# Altium PCB Power_Board.PcbDoc (part 2 of 2) (continued)
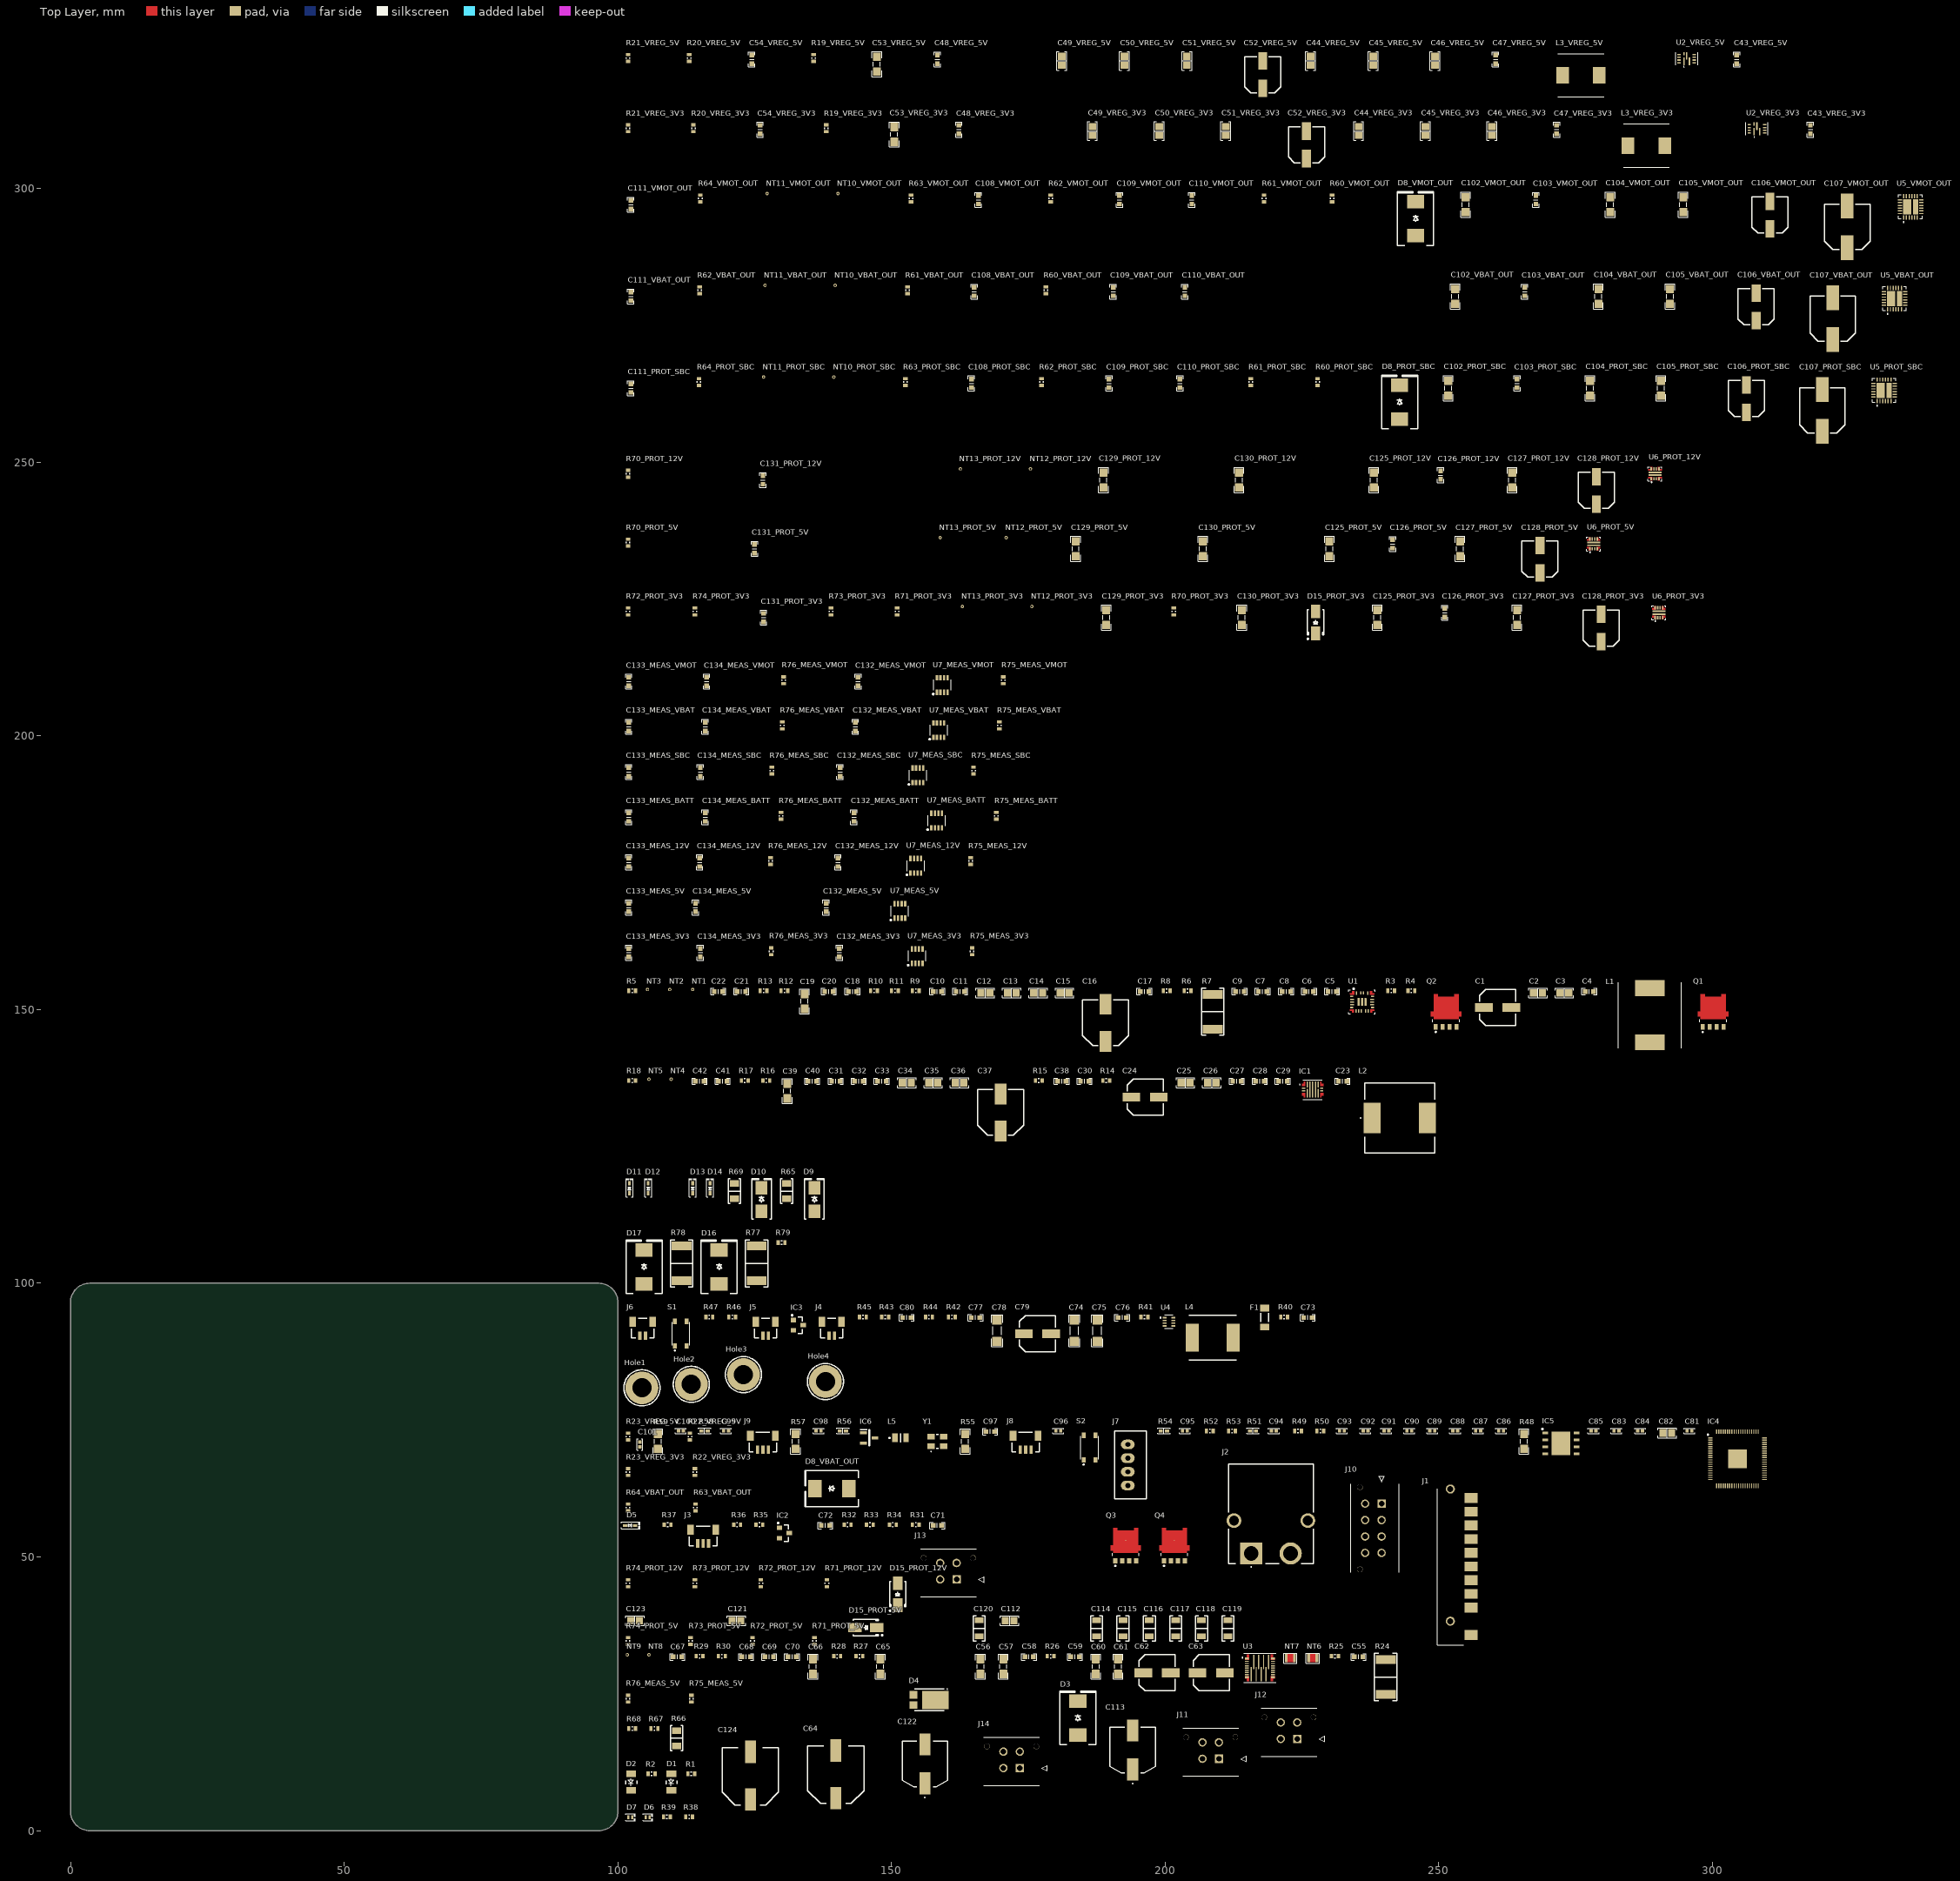
[diagram p0: Top Layer view]
## Part data (continued)
D16 D17: "TVS DIODE 13VWM 21.5VC DO214AB", Current - Peak Pulse (10/1000µs)=69.8A, Manufacturer="Littelfuse Inc.", Operating Temperature="-55°C ~ 150°C (TJ)", Package / Case="DO-214AB, SMC", Power - Peak Pulse="1500W (1.5kW)", Power Line Protection=No, Supplier Device Package="DO-214AB (SMCJ)", Supplier Part Number 1=SMCJ13ALFCT-ND, Voltage - Breakdown (Min)=14.4V, Voltage - Clamping (Max) @ Ipp=21.5V, Voltage - Reverse Standoff (Typ)=13V, Applications="General Purpose", ComponentLink1Description=Datasheet, ComponentLink1URL=https://www.littelfuse.com/products/tvs-diodes/surface-mount/~/media/electronics/datasheets/tvs_diodes/littelfuse_tvs_diode_smcj_datasheet.pdf.pdf, ComponentLink2Description="DigiKey Link", ComponentLink2URL=https://www.digikey.com/en/products/detail/littelfuse-inc/SMCJ13A/762378, LastUpdated="6/3/2024 7:57:05 PM", Lifecycle Status=Active, Minimum Order=1, Mounting Type="Surface Mount", Packaging=TapeAndReel, Part Number=SMCJ13A, Part Status=Active, PartId=6718, Price=0.16, Series=SMCJ, Supplier 1=DigiKey, Type=Zener, Unidirectional Channels=1
F1: "FUSE BOARD MNT 500MA 63VDC 1206", Breaking Capacity @ Rated Voltage=50A, Current Rating (Amps)=500mA, Device Package="1206 (3216 Metric)", Manufacturer="Bourns Inc.", Operating Temperature="-40°C ~ 105°C", Supplier Part Number 1=SF-1206F050-2CT-ND, Voltage Rating - DC=63V, Approval Agency=UL, Approvals=UL, ComponentLink1Description=Datasheet, ComponentLink1URL=https://www.bourns.com/pdfs/SF1206F.pdf, ComponentLink2Description="DigiKey Link", ComponentLink2URL=http://digikey.com/product-detail/en/bourns-inc/SF-1206F050-2/SF-1206F050-2CT-ND/1948200, Fuse Type="Board Mount (Cartridge Style Excluded)", LastUpdated="9/2/2020 1:30:42 AM", Lifecycle Status=Active, Melting I²t=0.011, Minimum Order=1, Mounting Type="Surface Mount", Package / Case="1206 (3216 Metric)", Packaging=TapeAndReel, Part Number=SF-1206F050-2, Part Status=Active, Price=0.31, Response Time="Fast Blow", Series="SinglFuse™ SF-1206F", Size / Dimension="0.122\" L x 0.061\" W x 0.024\" H (3.10mm x 1.55mm x 0.60mm)", Supplier 1=DigiKey
IC1: "Integrated Circuit", Manufacturer_Name="Texas Instruments", Datasheet Link=https://www.ti.com/lit/ds/symlink/tps55285.pdf?ts=1748610311770&ref_url=https%253A%252F%252Fwww.ti.com%252Fproduct%252FTPS55285%252Fpart-details%252FXTPS55285VALR, Height=0.8mm, Manufacturer_Part_Number=TPS55285VALR
IC2 IC3: "MOSFET N-CH 30V 5A MICRO3/SOT23", Current - Continuous Drain (Id) @ 25°C="5A (Ta)", Drain to Source Voltage (Vdss)="30 V", Drive Voltage (Max Rds On,  Min Rds On)="2.5V, 4.5V", Input Capacitance (Ciss) (Max) @ Vds="650 pF @ 25 V", Manufacturer="Infineon Technologies", Operating Temperature="-55°C ~ 150°C (TJ)", Package / Case="TO-236-3, SC-59, SOT-23-3", Power Dissipation (Max)="1.3W (Ta)", Supplier Device Package=Micro3™/SOT-23, Supplier Part Number 1=IRLML6344TRPBFCT-ND, ComponentLink1Description=Datasheet, ComponentLink1URL=https://www.infineon.com/dgdl/irlml6344pbf.pdf?fileId=5546d462533600a4015356689c44262c, ComponentLink2Description="DigiKey Link", ComponentLink2URL=https://www.digikey.com/en/products/detail/infineon-technologies/IRLML6344TRPBF/2538152, FET Type=N-Channel, Gate Charge (Qg) (Max) @ Vgs="6.8 nC @ 4.5 V", LastUpdated="6/3/2024 8:15:23 PM", Lifecycle Status=Active, Minimum Order=1, Mounting Type="Surface Mount", Packaging=TapeAndReel, Part Number=IRLML6344TRPBF, Part Status=Active, Price=0.10, Rds On (Max) @ Id, Vgs="29mOhm @ 5A, 4.5V", Series=HEXFET®, Supplier 1=DigiKey, Technology="MOSFET (Metal Oxide)", Vgs (Max)=±12V, Vgs(th) (Max) @ Id="1.1V @ 10µA"
IC4: "Integrated Circuit", Manufacturer_Name=RASPBERRY-PI, Datasheet Link=https://datasheets.raspberrypi.com/rp2350/rp2350-product-brief.pdf, Height=0.9mm, Manufacturer_Part_Number=RP2350B
IC5: "Integrated Circuit", Manufacturer_Name=Winbond, Mouser Part Number=454-W25Q64JVZPIQ, Arrow Part Number=W25Q64JVZPIQ, Arrow Price/Stock=https://www.arrow.com/en/products/w25q64jvzpiq/winbond-electronics?utm_currency=USD&region=nac, Datasheet Link=https://www.winbond.com/hq/search-resource-file.jsp?partNo=W25Q64JVZPIQ&type=datasheet, Height=0.8mm, Manufacturer_Part_Number=W25Q64JVZPIQ, Mouser Price/Stock=https://www.mouser.co.uk/ProductDetail/Winbond/W25Q64JVZPIQ?qs=qSfuJ%252Bfl%2Fd7Nj8XAKQ%2FzKA%3D%3D
IC6: "Integrated Circuit", Manufacturer_Name="Texas Instruments", Mouser Part Number=595-LM4040A30IDBZR, Arrow Part Number=LM4040A30IDBZR, Arrow Price/Stock=https://www.arrow.com/en/products/lm4040a30idbzr/texas-instruments?region=nac, Datasheet Link=https://www.ti.com/lit/ds/symlink/lm4040.pdf?ts=1622708080852&ref_url=https%253A%252F%252Fwww.ti.com%252Fsitesearch%252Fdocs%252Funiversalsearch.tsp%253FlangPref%253Den-US%2526searchTerm%253DLM4040A30IDBZR%2526nr%253D15, Height=1.12mm, Manufacturer_Part_Number=LM4040A30IDBZR, Mouser Price/Stock=https://www.mouser.co.uk/ProductDetail/Texas-Instruments/LM4040A30IDBZR?qs=VBduBm9rCJQGyTICzc6%2FQg%3D%3D
J1: "Connector", Manufacturer_Name="TE Connectivity", Mouser Part Number=571-1-1473776-7, Datasheet Link=http://www.te.com/commerce/DocumentDelivery/DDEController?Action=srchrtrv&DocNm=1473776&DocType=Customer+Drawing&DocLang=English, Height=7.15mm, Manufacturer_Part_Number=1-1473776-7, Mouser Price/Stock=https://www.mouser.co.uk/ProductDetail/TE-Connectivity-AMP/1-1473776-7?qs=28ld6GkVMjSORgjR%252BFax6w%3D%3D
J2: "Connector", Manufacturer_Name=Amass, Datasheet Link=https://www.tme.eu/Document/b13629717d44ae038681dba08d18c0b6/XT60PW-M.pdf, Height=8.4mm, Manufacturer_Part_Number=XT60PW-M
J3 J8 J9: "CONN HEADER SMD 3POS 1MM", Current Rating (Amps)=0.7A, Insulation Color=Natural, Manufacturer="JST Sales America Inc.", Material Flammability Rating="UL94 V-0", Operating Temperature="-25°C ~ 85°C", Supplier Part Number 1=455-1789-1-ND, Voltage Rating=50V, ComponentLink1Description=Datasheet, ComponentLink1URL=http://www.jst-mfg.com/product/pdf/eng/eSR.pdf, ComponentLink2Description="DigiKey Link", ComponentLink2URL=http://digikey.com/product-detail/en/jst-sales-america-inc/BM03B-SRSS-TB-LF-SN/455-1789-1-ND/926860, Connector Type=Header, Contact Finish - Mating=Tin, Contact Finish - Post=Tin, Contact Material="Copper Alloy", Contact Shape=Square, Contact Type="Male Pin", Fastening Type=Push-Pull, Features="Solder Retention", Insulation Height="0.167\" (4.25mm)", Insulation Material="Polyamide (PA), Nylon", LastUpdated="1/12/2020 10:12:14 PM", Lifecycle Status=Active, Minimum Order=1, Mounting Type="Surface Mount", Number of Positions=3, Number of Positions Loaded=All, Number of Rows=1, Packaging=TapeAndReel, Part Number=BM03B-SRSS-TB(LF)(SN), Part Status=Active, PartId=14, Pitch - Mating="0.039\" (1.00mm)", Price=0.24, Series=SR, Shrouding="Shrouded - 4 Wall", Style="Board to Cable/Wire", Supplier 1=DigiKey, Termination=Solder
J4 J5 J6: "CONN HEADER SMD 2POS 1MM", Current Rating (Amps)=0.7A, Insulation Color=Natural, Manufacturer="JST Sales America Inc.", Material Flammability Rating="UL94 V-0", Operating Temperature="-25°C ~ 85°C", Supplier Part Number 1=455-1788-1-ND, Voltage Rating=50V, ComponentLink1Description=Datasheet, ComponentLink1URL=http://www.jst-mfg.com/product/pdf/eng/eSR.pdf, ComponentLink2Description="DigiKey Link", ComponentLink2URL=http://digikey.com/product-detail/en/jst-sales-america-inc/BM02B-SRSS-TB-LF-SN/455-1788-1-ND/926859, Connector Type=Header, Contact Finish - Mating=Tin, Contact Finish - Post=Tin, Contact Material="Copper Alloy", Contact Shape=Square, Contact Type="Male Pin", Fastening Type=Push-Pull, Features="Solder Retention", Insulation Height="0.167\" (4.25mm)", Insulation Material="Polyamide (PA), Nylon", LastUpdated="1/12/2020 10:11:04 PM", Lifecycle Status=Active, Minimum Order=1, Mounting Type="Surface Mount", Number of Positions=2, Number of Positions Loaded=All, Number of Rows=1, Packaging=TapeAndReel, Part Number=BM02B-SRSS-TB(LF)(SN), Part Status=Active, PartId=12, Pitch - Mating="0.039\" (1.00mm)", Price=0.22, Series=SR, Shrouding="Shrouded - 4 Wall", Style="Board to Cable/Wire", Supplier 1=DigiKey, Termination=Solder
J7: "CONN HEADER VERT 4POS 2.5MM", Current Rating (Amps)=3A, Insulation Color=Natural, Manufacturer="JST Sales America Inc.", Material Flammability Rating="UL94 V-0", Operating Temperature="-25°C ~ 85°C", Supplier Part Number 1=455-2249-ND, Voltage Rating=250V, ComponentLink1Description=Datasheet, ComponentLink1URL=http://www.jst-mfg.com/product/pdf/eng/eXH.pdf, ComponentLink2Description="DigiKey Link", ComponentLink2URL=http://digikey.com/product-detail/en/jst-sales-america-inc/B4B-XH-A-LF-SN/455-2249-ND/1651047, Connector Type=Header, Contact Finish - Mating=Tin, Contact Finish - Post=Tin, Contact Length - Post="0.134\" (3.40mm)", Contact Material=Brass, Contact Shape=Square, Contact Type="Male Pin", Fastening Type="Detent Lock", Insulation Height="0.276\" (7.00mm)", Insulation Material="Polyamide (PA66), Nylon 6/6", LastUpdated="1/12/2020 11:46:34 PM", Lifecycle Status=Active, Minimum Order=1, Mounting Type="Through Hole", Number of Positions=4, Number of Positions Loaded=All, Number of Rows=1, Packaging=Bulk, Part Number=B4B-XH-A(LF)(SN), Part Status=Active, PartId=69, Pitch - Mating="0.098\" (2.50mm)", Price=0.21, Series=XH, Shrouding="Shrouded - 4 Wall", Style="Board to Cable/Wire", Supplier 1=DigiKey, System=Connector, Termination="Press-Fit, Solder"
J10: "Connector", Manufacturer_Name=Molex, Mouser Part Number=538-43045-0812, Arrow Part Number=43045-0812, Arrow Price/Stock=https://www.arrow.com/en/products/43045-0812/molex?region=nac, Datasheet Link=https://www.molex.com/pdm_docs/sd/430450612_sd.pdf, Height=9.91mm, Manufacturer_Part_Number=43045-0812, Mouser Price/Stock=https://www.mouser.co.uk/ProductDetail/Molex/43045-0812?qs=qjii0NTOo%252B4%252BsykjI9icjA%3D%3D, System=Connector
J11 J12 J13 J14: "Connector", Manufacturer_Name=Molex, Mouser Part Number=538-43045-0412, Arrow Part Number=43045-0412, Arrow Price/Stock=https://www.arrow.com/en/products/43045-0412/molex?utm_currency=USD&region=nac, Datasheet Link=https://www.molex.com/pdm_docs/sd/430450612_sd.pdf, Height=9.91mm, Manufacturer_Part_Number=43045-0412, Mouser Price/Stock=https://www.mouser.co.uk/ProductDetail/Molex/43045-0412?qs=UeCeOHRHQebPBbEMDLocEw%3D%3D
L1: library part 7443320470, "Inductor", Manufacturer_Name="Wurth Elektronik", Mouser Part Number=710-7443320470, Datasheet Link=https://www.we-online.com/components/products/download/+3D_WE-HCC-1210_FERRITE_744332xxxx_3D+%28rev1%29.pdf, Height=6mm, Manufacturer_Part_Number=7443320470, Mouser Price/Stock=https://www.mouser.co.uk/ProductDetail/Wurth-Elektronik/7443320470?qs=MVRUG6Lt7nGP9VBVz%252BgY8A%3D%3D
L2: library part B82477G4472M000, "Inductor", Manufacturer_Name=TDK, Datasheet Link=https://product.tdk.com/system/files/dam/doc/product/inductor/inductor/smd/data_sheet/30/db/ind_2008/b82477g4.pdf, Height=8mm, Manufacturer_Part_Number=B82477G4472M000
L3_VREG_3V3 L3_VREG_5V: library part 7443340150, "Inductor", Manufacturer_Name="Wurth Elektronik", Mouser Part Number=710-7443340150, Datasheet Link=https://www.we-online.com/components/products/download/3D_WE-HCC-8070_7443340xxx_3D+%28rev1%29.pdf, Height=7.2mm, Manufacturer_Part_Number=7443340150, Mouser Price/Stock=https://www.mouser.co.uk/ProductDetail/Wurth-Elektronik/7443340150?qs=MVRUG6Lt7nHwma%252Baq%2FaBXQ%3D%3D
L4: library part IHLP3232DZER6R8M11, "Inductor", Manufacturer_Name=Vishay, Mouser Part Number=70-IHLP3232DZER6R8M1, Arrow Part Number=IHLP3232DZER6R8M11, Arrow Price/Stock=https://www.arrow.com/en/products/ihlp3232dzer6r8m11/vishay?region=nac, Datasheet Link=http://www.vishay.com/docs/34313/ihlp3232dz11.pdf, Height=4mm, Manufacturer_Part_Number=IHLP3232DZER6R8M11, Mouser Price/Stock=https://www.mouser.co.uk/ProductDetail/Vishay-Dale/IHLP3232DZER6R8M11?qs=Nbmv7C3%2FzlCveAWvpIhiAg%3D%3D
L5: library part AOTA-B201610S3R3-101-T, "Inductor", Manufacturer_Name=ABRACON, Mouser Part Number=815-AB201610S3R3101T, Arrow Part Number=AOTA-B201610S3R3-101-T, Arrow Price/Stock=https://www.arrow.com/en/products/aota-b201610s3r3-101-t/abracon?utm_currency=USD&region=nac, Datasheet Link=https://abracon.com/datasheets/AOTA-B201610S3R3-101-T.pdf, Height=1mm, Manufacturer_Part_Number=AOTA-B201610S3R3-101-T, Mouser Price/Stock=https://www.mouser.co.uk/ProductDetail/ABRACON/AOTA-B201610S3R3-101-T?qs=%252BXxaIXUDbq0IZvJW%2F2mv4w%3D%3D
NT1 NT2 NT3 NT4 NT5 NT6 NT7 NT8 NT9 NT10_PROT_SBC NT10_VBAT_OUT NT10_VMOT_OUT NT11_PROT_SBC NT11_VBAT_OUT NT11_VMOT_OUT NT12_PROT_3V3 NT12_PROT_5V NT12_PROT_12V NT13_PROT_3V3 NT13_PROT_5V NT13_PROT_12V: "Net Tie"
Q1 Q2: "MOSFET (N-Channel)", Manufacturer_Name=onsemi, Datasheet Link=https://www.onsemi.com/pub/Collateral/NVMFS4C05N-D.PDF, Height=1.1mm, Manufacturer_Part_Number=NVMFS4C305NET1G-YE
Q3 Q4: "MOSFET (P-Channel)", Manufacturer_Name=onsemi, Datasheet Link=https://www.onsemi.com/pub/Collateral/NTMFS003P03P8Z-D.PDF, Height=1.1mm, Manufacturer_Part_Number=NTMFS003P03P8ZT1G
R1 R2 R3 R4 R5 R6 R8 R9 R10 R11 R12 R13 R14 R15 R16 R17 R18 R19_VREG_3V3 R19_VREG_5V R20_VREG_3V3 R20_VREG_5V R21_VREG_3V3 R21_VREG_5V R22_VREG_3V3 R22_VREG_5V R23_VREG_3V3 R23_VREG_5V R25 R26 R27 R28 R29 R30 R31 R32 R33 R34 R35 R36 R37 R38 R39 R40 R41 R42 R43 R44 R45 R46 R47 R48 R49 R50 R52 R53 R55 R57 R59 R60_PROT_SBC R60_VBAT_OUT R60_VMOT_OUT R61_PROT_SBC R61_VBAT_OUT R61_VMOT_OUT R62_PROT_SBC R62_VBAT_OUT R62_VMOT_OUT R63_PROT_SBC R63_VBAT_OUT R63_VMOT_OUT R64_PROT_SBC R64_VBAT_OUT R64_VMOT_OUT R67 R68 R70_PROT_3V3 R70_PROT_5V R70_PROT_12V R71_PROT_3V3 R71_PROT_5V R71_PROT_12V R72_PROT_3V3 R72_PROT_5V R72_PROT_12V R73_PROT_3V3 R73_PROT_5V R73_PROT_12V R74_PROT_3V3 R74_PROT_5V R74_PROT_12V R75_MEAS_3V3 R75_MEAS_5V R75_MEAS_12V R75_MEAS_BATT R75_MEAS_SBC R75_MEAS_VBAT R75_MEAS_VMOT R76_MEAS_3V3 R76_MEAS_5V R76_MEAS_12V R76_MEAS_BATT R76_MEAS_SBC R76_MEAS_VBAT R76_MEAS_VMOT R79: library part Resistor, "Resistor", Power=1/8W
R7 R77 R78: library part TLR3A20KR003FTDG, "RES 0.003 OHM 1% 2W 2512", Device Package="2512 (6432 Metric)", Manufacturer="TE Connectivity Passive Product", Operating Temperature="-55°C ~ 170°C", Power (Watts)=2W, Supplier Device Package=2512, Supplier Part Number 1=A131783CT-ND, Temperature Coefficient=±150ppm/°C, Tolerance=±1%, ComponentLink1Description=Datasheet, ComponentLink1URL=https://www.te.com/commerce/DocumentDelivery/DDEController?Action=srchrtrv&DocNm=1773449-3&DocType=DS&DocLang=English, ComponentLink2Description="DigiKey Link", ComponentLink2URL=http://digikey.com/product-detail/en/te-connectivity-passive-product/TLR3A20KR003FTDG/A131783CT-ND/8603913, Composition="Metal Foil", Features="Current Sense", Height - Seated (Max)="0.024\" (0.60mm)", LastUpdated="9/2/2020 1:27:06 AM", Lifecycle Status=Active, Minimum Order=1, Number of Terminations=2, Package / Case="2512 (6432 Metric)", Packaging=TapeAndReel, Part Number=TLR3A20KR003FTDG, Part Status=Active, Price=0.30, Resistance="3 mOhms", Series="TLR, CGS", Size / Dimension="0.252\" L x 0.126\" W (6.40mm x 3.20mm)", Supplier 1=DigiKey
R24: library part TLR3A20DR001FTDG, "RES 0.001 OHM 1% 2W 2512", Device Package="2512 (6432 Metric)", Manufacturer="TE Connectivity Passive Product", Operating Temperature="-55°C ~ 170°C", Power (Watts)=2W, Supplier Device Package=2512, Supplier Part Number 1=A129565CT-ND, Temperature Coefficient=±50ppm/°C, Tolerance=±1%, ComponentLink1Description=Datasheet, ComponentLink1URL=https://www.te.com/commerce/DocumentDelivery/DDEController?Action=srchrtrv&DocNm=1773449-3&DocType=DS&DocLang=English, ComponentLink2Description="DigiKey Link", ComponentLink2URL=http://digikey.com/product-detail/en/te-connectivity-passive-product/TLR3A20DR001FTDG/A129565CT-ND/8566769, Composition="Metal Foil", Features="Current Sense", Height - Seated (Max)="0.024\" (0.60mm)", LastUpdated="9/2/2020 1:27:06 AM", Lifecycle Status=Active, Minimum Order=1, Number of Terminations=2, Package / Case="2512 (6432 Metric)", Packaging=TapeAndReel, Part Number=TLR3A20DR001FTDG, Part Status=Active, Price=0.30, Resistance="1 mOhms", Series="TLR, CGS", Size / Dimension="0.252\" L x 0.126\" W (6.40mm x 3.20mm)", Supplier 1=DigiKey
R51 R54 R56 R58: library part Resistor, "Generic Resistor", Power=1/8W
R65: library part TLR2B10DR007FTDG, "RES 0.007 OHM 1% 1W 1206", Device Package="1206 (3216 Metric)", Manufacturer="TE Connectivity Passive Product", Operating Temperature="-55°C ~ 170°C", Power (Watts)=1W, Supplier Device Package=1206, Supplier Part Number 1=A131747CT-ND, Temperature Coefficient=±50ppm/°C, Tolerance=±1%, ComponentLink1Description=Datasheet, ComponentLink1URL=https://www.te.com/commerce/DocumentDelivery/DDEController?Action=srchrtrv&DocNm=1773449-3&DocType=DS&DocLang=English, ComponentLink2Description="DigiKey Link", ComponentLink2URL=https://www.digikey.com/en/products/detail/te-connectivity-passive-product/TLR2B10DR007FTDG/5584869, Composition="Metal Foil", Features="Current Sense", Height - Seated (Max)="0.024\" (0.60mm)", LastUpdated="2/9/2024 8:54:43 PM", Lifecycle Status=Active, Minimum Order=1, Number of Terminations=2, Package / Case="1206 (3216 Metric)", Packaging=TapeAndReel, Part Number=TLR2B10DR007FTDG, Part Status=Active, PartId=27144, Price=0.31, Resistance="7 mOhms", Series="TLR, CGS", Size / Dimension="0.126\" L x 0.063\" W (3.20mm x 1.60mm)", Supplier 1=DigiKey
R66 R69: library part TLR2B10DR004FTDG, "RES 0.004 OHM 1% 1W 1206", Device Package="1206 (3216 Metric)", Manufacturer="TE Connectivity Passive Product", Operating Temperature="-55°C ~ 170°C", Power (Watts)=1W, Supplier Device Package=1206, Supplier Part Number 1=A129560CT-ND, Temperature Coefficient=±50ppm/°C, Tolerance=±1%, ComponentLink1Description=Datasheet, ComponentLink1URL=https://www.te.com/commerce/DocumentDelivery/DDEController?Action=srchrtrv&DocNm=1773449-3&DocType=DS&DocLang=English, ComponentLink2Description="DigiKey Link", ComponentLink2URL=https://www.digikey.com/en/products/detail/te-connectivity-passive-product/TLR2B10DR004FTDG/5584867, Composition="Metal Foil", Features="Current Sense", Height - Seated (Max)="0.024\" (0.60mm)", LastUpdated="2/9/2024 8:53:45 PM", Lifecycle Status=Active, Minimum Order=1, Number of Terminations=2, Package / Case="1206 (3216 Metric)", Packaging=TapeAndReel, Part Number=TLR2B10DR004FTDG, Part Status=Active, PartId=42701, Price=0.31, Resistance="4 mOhms", Series="TLR, CGS", Size / Dimension="0.126\" L x 0.063\" W (3.20mm x 1.60mm)", Supplier 1=DigiKey
S1 S2: "Switch", Arrow Part Number="PTS815 SJK 250 SMTR LFS", Manufacturer_Name="C & K COMPONENTS", Mouser Part Number=611-PTS815SJK250SMTR, Arrow Price/Stock=https://www.arrow.com/en/products/pts815-sjk-250-smtr-lfs/ck, Datasheet Link=https://www.mouser.com/datasheet/2/60/pts815-1535658.pdf, Height=2mm, Manufacturer_Part_Number="PTS815 SJK 250 SMTR LFS", Mouser Price/Stock=https://www.mouser.co.uk/ProductDetail/CK/PTS815-SJK-250-SMTR-LFS?qs=ahcBuItHZ3yETpGYMHf%2FgQ%3D%3D
U1: "36V, 16A buck-boost converter with PPS control 26-VQFN-HR -40 to 150", Manufacturer_Name="Texas Instruments", Copyright="Copyright (C) 2026 Ultra Librarian. All rights reserved.", Manufacturer_Part_Number=TPS55288RPMR, RefDes=RefDes, Type=Type
U2_VREG_3V3 U2_VREG_5V: "4.5-V to 24-V input, 8-A synchronous buck converterÂ  12-VQFN-HR -40 to 125", Manufacturer_Name="Texas Instruments", Copyright="Copyright (C) 2026 Ultra Librarian. All rights reserved.", Datasheet=https://www.ti.com/lit/gpn/tps51386, Manufacturer_Part_Number=TPS51386RJNR, RefDes=RefDes, Type="Power Management"
U3: "2.9-V to 16-V, 0.79-mÎ©, 60-A eFuse with digital telemetry controller 26-VQFN-HR -40 to 125", Manufacturer_Name="Texas Instruments", Manufacturer_Part_Number=PTPS25990ARQPR, Copyright="Copyright (C) 2025 Ultra Librarian. All rights reserved.", RefDes=RefDes, Type=Type
U4: "3.8-V to 30-V input, 2-A, 200-kHz to 2.2-MHz, low-IQ synchronous buck converter in SOT-583 package 8-SOT-5X3 -40 to 150", Manufacturer_Name="Texas Instruments", Copyright="Copyright (C) 2025 Ultra Librarian. All rights reserved.", Manufacturer_Part_Number=TPS62932DRLR, RefDes=RefDes, Type=Type
U5_PROT_SBC U5_VBAT_OUT U5_VMOT_OUT: "2.7-V to 24-V, 2.7-mÎ©, 15-A eFuse with hot-swap protection, Â±1.5% current monitor & adj. fault mgmt. 24-VQFN -40 to 125", Manufacturer_Name="Texas Instruments", Copyright="Copyright (C) 2025 Ultra Librarian. All rights reserved.", Manufacturer_Part_Number=TPS259824ONRGER, RefDes=RefDes, Type=Type
U6_PROT_3V3 U6_PROT_5V U6_PROT_12V: "2.7-V to 16-V, 10-A, 6-mÎ© eFuse with transient overcurrent blanking timer 10-VQFN-HR -40 to 125", Manufacturer_Name="Texas Instruments", Copyright="Copyright (C) 2026 Ultra Librarian. All rights reserved.", Manufacturer_Part_Number=TPS259814LRPWR, RefDes=RefDes, Type=Type
U7_MEAS_3V3 U7_MEAS_5V U7_MEAS_12V U7_MEAS_BATT U7_MEAS_SBC U7_MEAS_VBAT U7_MEAS_VMOT: "48-V, 16-bit ultraprecise IÂ²C output digital power monitor with alert in WCSP 8-SOT-23-THIN -40 to 125", Manufacturer_Name="Texas Instruments", Copyright="Copyright (C) 2025 Ultra Librarian. All rights reserved.", Manufacturer_Part_Number=INA236AIDDFR, RefDes=RefDes, Type="Power Management"
Y1: "Crystal or Oscillator", Manufacturer_Name=ABRACON, Mouser Part Number=815-ABM8-272-T3, Datasheet Link=https://abracon.com/datasheets/ABM8-272-T3.pdf, Height=0.8mm, Manufacturer_Part_Number=ABM8-272-T3, Mouser Price/Stock=https://www.mouser.co.uk/ProductDetail/ABRACON/ABM8-272-T3?qs=QpmGXVUTftEj6miOiJBMxQ%3D%3D

## Nets (pads, with @x,y where several pads share a name; then routed paths per layer and width w, separated by ;. In a path a pad name is that pad's centre, name@x,y a point inside that pad or via, vN(x,y) a via of type N, cw(c..) or ccw(c..) an arc to the next point about the centre after c; other vN are vias at no path point)
3V3_VIO.FSEN: C131_PROT_3V3.2 IC4.26 R71_PROT_3V3.2 R73_PROT_3V3.1 U6_PROT_3V3.1
3V3_VIO.FSPG: IC4.27 R72_PROT_3V3.2 U6_PROT_3V3.3
3V3_VIO.VEN: IC4.23 R22_VREG_3V3.2 U2_VREG_3V3.11
3V3_VIO.VPG: IC4.25 R23_VREG_3V3.2 U2_VREG_3V3.3
3V3RO: C127_PROT_3V3.2 C128_PROT_3V3.1 D15_PROT_3V3.1 R69.2 R75_MEAS_3V3.2 U6_PROT_3V3.6
5V_VIO.FSEN: C131_PROT_5V.2 IC4.21 R71_PROT_5V.2 R73_PROT_5V.1 U6_PROT_5V.1
5V_VIO.FSPG: IC4.22 R72_PROT_5V.2 U6_PROT_5V.3
5V_VIO.VEN: IC4.19 R22_VREG_5V.2 U2_VREG_5V.11
5V_VIO.VPG: IC4.20 R23_VREG_5V.2 U2_VREG_5V.3
5VRO: C127_PROT_5V.2 C128_PROT_5V.1 D15_PROT_5V.1 R66.2 R75_MEAS_5V.2 U6_PROT_5V.6
12V_VIO.FSEN: C131_PROT_12V.2 IC4.17 R71_PROT_12V.2 R73_PROT_12V.1 U6_PROT_12V.1
12V_VIO.FSPG: IC4.18 R72_PROT_12V.2 U6_PROT_12V.3
12V_VIO.VEN: IC1.4 IC4.16 R18.2
12VRO: C127_PROT_12V.2 C128_PROT_12V.1 D15_PROT_12V.1 R65.2 R75_MEAS_12V.2 U6_PROT_12V.6
+3V3: C77.1 C78.1 C79.1 C81.1 C82.1 C83.1 C84.2 C85.1 C86.1 C87.1 C88.1 C89.2 C90.1 C91.1 C92.1 C98.1 C133_MEAS_3V3.2 C133_MEAS_5V.2 C133_MEAS_12V.2 C133_MEAS_BATT.2 C133_MEAS_SBC.2 C133_MEAS_VBAT.2 C133_MEAS_VMOT.2 C134_MEAS_3V3.1 C134_MEAS_5V.1 C134_MEAS_12V.1 C134_MEAS_BATT.1 C134_MEAS_SBC.1 C134_MEAS_VBAT.1 C134_MEAS_VMOT.1 IC4.5 IC4.15 IC4.24 IC4.29 IC4.41 IC4.50 IC4.60 IC4.64 IC4.68 IC4.69 IC4.76 IC5.8 L4.2 R23_VREG_3V3.1 R23_VREG_5V.1 R25.2 R42.1 R46.2 R49.2 R50.2 R52.2 R53.2 R55.2 R56.1 R60_PROT_SBC.1 R60_VBAT_OUT.1 R60_VMOT_OUT.1 R67.1 R68.2 R72_PROT_3V3.1 R72_PROT_5V.1 R72_PROT_12V.1 R79.2 U7_MEAS_3V3.4 U7_MEAS_5V.4 U7_MEAS_12V.4 U7_MEAS_12V.7 U7_MEAS_BATT.4 U7_MEAS_SBC.4 U7_MEAS_VBAT.4 U7_MEAS_VBAT.7 U7_MEAS_VMOT.4
+3V3R: C115.2 C118.2 J11.4 J12.4 R69.1 R76_MEAS_3V3.2
+5VR: C116.2 C119.2 C120.2 J10.8 J11.3 J12.3 R66.1 R76_MEAS_5V.2
+12VR: R65.1 R76_MEAS_12V.2
ADC_VREF: C97.2 IC4.59 IC6.1 R55.1
BATT_ALERT: IC4.4 J1.7 R25.1 U3.17 U7_MEAS_BATT.8
BCHG: C71.2 J2.2 Q3.3 R31.1
BCHG_MEAS: C72.2 D5.2 IC4.49 R33.2
BGND: C1.2 C2.2 C3.2 C4.1 C5.2 C7.1 C10.1 C11.1 C12.2 C13.2 C14.2 C15.1 C16.2 C24.2 C25.2 C26.2 C27.1 C28.1 C29.1 C31.1 C32.1 C33.1 C34.2 C35.2 C36.2 C37.2 C39.1 C40.1 C44_VREG_3V3.2 C44_VREG_5V.2 C45_VREG_3V3.2 C45_VREG_5V.2 C46_VREG_3V3.2 C46_VREG_5V.2 C47_VREG_3V3.1 C47_VREG_5V.1 C49_VREG_3V3.1 C49_VREG_5V.1 C50_VREG_3V3.1 C50_VREG_5V.1 C51_VREG_3V3.1 C51_VREG_5V.1 C52_VREG_3V3.2 C52_VREG_5V.2 C53_VREG_3V3.1 C53_VREG_5V.1 C54_VREG_3V3.1 C54_VREG_5V.1 C55.1 C62.2 C63.2 C64.2 C71.1 C106_PROT_SBC.2 C106_VBAT_OUT.2 C106_VMOT_OUT.2 C107_PROT_SBC.2 C107_VBAT_OUT.2 C107_VMOT_OUT.2 C112.1 C113.2 C114.1 C115.1 C116.1 C117.1 C118.1 C119.1 C120.1 C121.1 C122.2 C123.1 C124.2 C128_PROT_3V3.2 C128_PROT_5V.2 C128_PROT_12V.2 D3.1 D4.2 D6.2 D7.2 D8_PROT_SBC.1 D8_VBAT_OUT.1 D8_VMOT_OUT.1 D9.1 D10.1 D11.1 D12.1 D13.1 D14.1 D15_PROT_3V3.2 D15_PROT_5V.2 D15_PROT_12V.2 D16.1 D17.1 IC1.7 IC2.2 IC3.2 J1.1 J1.2 J1.3 J1.4 J2.1 J3.3 J4.1 J5.1 J6.1 J10.3 J10.4 J10.6 J10.7 J11.2 J12.2 J13.1 J13.2 J14.1 J14.2 NT1.2 NT2.2 NT3.2 NT4.2 NT5.2 NT6.2 NT7.2 NT8.2 NT9.2 NT10_PROT_SBC.2 NT10_VBAT_OUT.2 NT10_VMOT_OUT.2 NT11_PROT_SBC.2 NT11_VBAT_OUT.2 NT11_VMOT_OUT.2 NT12_PROT_3V3.2 NT12_PROT_5V.2 NT12_PROT_12V.2 NT13_PROT_3V3.2 NT13_PROT_5V.2 NT13_PROT_12V.2 Q2.1 R21_VREG_3V3.2 R21_VREG_5V.2 R22_VREG_3V3.1 R22_VREG_5V.1 R37.1 R47.1 U1.9 U1.24 U2_VREG_3V3.2 U2_VREG_3V3.10 U2_VREG_3V3.12 U2_VREG_5V.2 U2_VREG_5V.10 U2_VREG_5V.12
BOOTSEL: R48.2 S2.2
BVBAT: C55.2 J1.8 J1.9 J1.10 R24.2 R75_MEAS_BATT.2
CHG_EN: IC2.1 IC4.80 R37.2
CHG_UART.RX: D7.1 IC4.2 R39.2
CHG_UART.TX: D6.1 IC4.1 R38.2
DBG_UART_RX: IC4.78 J8.1
DBG_UART_TX: IC4.77 J8.3
DVDD_1V1: C93.2 C94.2 C95.2 C101.1 IC4.10 IC4.32 IC4.51 IC4.65 L5.1
EFS_EN: C66.2 IC4.3 R27.2 R28.1 U3.18
EFS_IEN_PROT_3V3: R73_PROT_3V3.2 R74_PROT_3V3.1 U6_PROT_3V3.2
EFS_IEN_PROT_5V: R73_PROT_5V.2 R74_PROT_5V.1 U6_PROT_5V.2
EFS_IEN_PROT_12V: R73_PROT_12V.2 R74_PROT_12V.1 U6_PROT_12V.2
EXT_RST: IC3.1 IC4.79 R47.2
EXT_RST_TR: IC3.3 J4.2 J5.2 J6.2
FGND: C56.1 C57.1 C58.1 C59.1 C60.1 C61.1 C65.1 C66.1 C67.1 C68.1 C69.1 C70.1 NT8.1 NT9.1 R28.2 R29.2 R30.2 U3.14
FLT_LED: IC4.38 R2.2
FS_GFLT: IC4.28 R67.2 U6_PROT_3V3.4 U6_PROT_5V.4 U6_PROT_12V.4
GND: C72.1 C74.2 C75.2 C76.2 C77.2 C78.2 C79.2 C80.2 C81.2 C82.2 C83.2 C84.1 C85.2 C86.2 C87.2 C88.2 C89.1 C90.2 C91.2 C92.2 C93.1 C94.1 C95.1 C96.1 C97.1 C99.1 C100.2 C133_MEAS_3V3.1 C133_MEAS_5V.1 C133_MEAS_12V.1 C133_MEAS_BATT.1 C133_MEAS_SBC.1 C133_MEAS_VBAT.1 C133_MEAS_VMOT.1 C134_MEAS_3V3.2 C134_MEAS_5V.2 C134_MEAS_12V.2 C134_MEAS_BATT.2 C134_MEAS_SBC.2 C134_MEAS_VBAT.2 C134_MEAS_VMOT.2 D1.2 D2.2 D5.1 IC4.81 IC5.4 IC5.9 IC6.2 IC6.3 J7.1 J7.4 J8.2 J9.2 NT6.1 NT7.1 R32.2 R43.2 R44.2 R45.2 S1.2 S2.1 U4.4 U7_MEAS_3V3.3 U7_MEAS_5V.3 U7_MEAS_12V.3 U7_MEAS_BATT.3 U7_MEAS_BATT.7 U7_MEAS_SBC.3 U7_MEAS_SBC.7 U7_MEAS_VBAT.3 U7_MEAS_VMOT.3 U7_MEAS_VMOT.7 Y1.2 Y1.4
HPGND: C102_PROT_SBC.1 C102_VBAT_OUT.1 C102_VMOT_OUT.1 C103_PROT_SBC.1 C103_VBAT_OUT.1 C103_VMOT_OUT.1 C104_PROT_SBC.1 C104_VBAT_OUT.1 C104_VMOT_OUT.1 C105_PROT_SBC.1 C105_VBAT_OUT.1 C105_VMOT_OUT.1 C108_PROT_SBC.1 C108_VBAT_OUT.1 C108_VMOT_OUT.1 C109_PROT_SBC.1 C109_VBAT_OUT.1 C109_VMOT_OUT.1 C110_PROT_SBC.1 C110_VBAT_OUT.1 C110_VMOT_OUT.1 NT10_PROT_SBC.1 NT10_VBAT_OUT.1 NT10_VMOT_OUT.1 NT11_PROT_SBC.1 NT11_VBAT_OUT.1 NT11_VMOT_OUT.1 R61_PROT_SBC.2 R61_VBAT_OUT.2 R61_VMOT_OUT.2 R62_PROT_SBC.2 R62_VBAT_OUT.2 R62_VMOT_OUT.2 U5_PROT_SBC.4 U5_PROT_SBC.5 U5_PROT_SBC.10 U5_PROT_SBC.12 U5_PROT_SBC.14 U5_PROT_SBC.26 U5_VBAT_OUT.4 U5_VBAT_OUT.5 U5_VBAT_OUT.10 U5_VBAT_OUT.12 U5_VBAT_OUT.14 U5_VBAT_OUT.26 U5_VMOT_OUT.4 U5_VMOT_OUT.5 U5_VMOT_OUT.10 U5_VMOT_OUT.12 U5_VMOT_OUT.14 U5_VMOT_OUT.26
I2C0.SCL: IC4.46 J1.5 R52.1 U3.16 U7_MEAS_BATT.5 U7_MEAS_VBAT.5 U7_MEAS_VMOT.5
I2C0.SDA: IC4.45 J1.6 R49.1 U3.15 U7_MEAS_BATT.6 U7_MEAS_VBAT.6 U7_MEAS_VMOT.6
I2C1.SCL: IC1.2 IC4.48 R53.1 U1.5 U7_MEAS_3V3.5 U7_MEAS_3V3.7 U7_MEAS_5V.5 U7_MEAS_12V.5 U7_MEAS_SBC.5
I2C1.SDA: IC1.3 IC4.47 R50.1 U1.6 U7_MEAS_3V3.6 U7_MEAS_5V.6 U7_MEAS_5V.7 U7_MEAS_12V.6 U7_MEAS_SBC.6
LPGND: C125_PROT_3V3.1 C125_PROT_5V.1 C125_PROT_12V.1 C126_PROT_3V3.1 C126_PROT_5V.1 C126_PROT_12V.1 C127_PROT_3V3.1 C127_PROT_5V.1 C127_PROT_12V.1 C129_PROT_3V3.1 C129_PROT_5V.1 C129_PROT_12V.1 C130_PROT_3V3.1 C130_PROT_5V.1 C130_PROT_12V.1 NT12_PROT_3V3.1 NT12_PROT_5V.1 NT12_PROT_12V.1 NT13_PROT_3V3.1 NT13_PROT_5V.1 NT13_PROT_12V.1 R70_PROT_3V3.2 R70_PROT_5V.2 R70_PROT_12V.2 U6_PROT_3V3.8 U6_PROT_5V.8 U6_PROT_12V.8
LVGND: C41.1 C42.1 IC1.12 NT4.1 NT5.1 R14.1 R17.2
NetC6_1: C6.1 U1.22
NetC9_1: C9.1 U1.20
NetC18_2: C18.2 U1.7
NetC19_2: C19.2 C20.2 U1.19
NetC21_2: C21.2 R12.1 U1.18
NetC22_2: C22.2 R12.2
NetC23_1: C23.1 IC1.15
NetC23_2: C23.2 IC1.6 L2.1
NetC30_1: C30.1 IC1.14
NetC30_2: C30.2 IC1.8 L2.2
NetC39_2: C39.2 C40.2 IC1.13
NetC41_2: C41.2 IC1.11 R16.1
NetC42_2: C42.2 R16.2
NetC43_VREG_3V3_1: C43_VREG_3V3.1 L3_VREG_3V3.1 U2_VREG_3V3.7
NetC43_VREG_3V3_2: C43_VREG_3V3.2 R19_VREG_3V3.2
NetC43_VREG_5V_1: C43_VREG_5V.1 L3_VREG_5V.1 U2_VREG_5V.7
NetC43_VREG_5V_2: C43_VREG_5V.2 R19_VREG_5V.2
NetC48_VREG_3V3_2: C48_VREG_3V3.2 R20_VREG_3V3.2 R21_VREG_3V3.1 U2_VREG_3V3.4
NetC48_VREG_5V_2: C48_VREG_5V.2 R20_VREG_5V.2 R21_VREG_5V.1 U2_VREG_5V.4
NetC53_VREG_3V3_2: C53_VREG_3V3.2 U2_VREG_3V3.9
NetC53_VREG_5V_2: C53_VREG_5V.2 U2_VREG_5V.9
NetC54_VREG_3V3_2: C54_VREG_3V3.2 U2_VREG_3V3.5
NetC54_VREG_5V_2: C54_VREG_5V.2 U2_VREG_5V.5
NetC65_2: C65.2 R26.2 U3.22
NetC67_2: C67.2 U3.4
NetC68_2: C68.2 R30.1 U3.7
NetC69_2: C69.2 U3.5
NetC70_2: C70.2 U3.9
NetC73_1: C73.1 L4.1 U4.5
NetC73_2: C73.2 R40.2
NetC74_1: C74.1 C75.1 C76.1 F1.2 R41.1 U4.3
NetC80_1: C80.1 U4.7
NetC99_2: C99.2 R58.1 Y1.3
NetC108_PROT_SBC_2: C108_PROT_SBC.2 U5_PROT_SBC.7
NetC108_VBAT_OUT_2: C108_VBAT_OUT.2 U5_VBAT_OUT.7
NetC108_VMOT_OUT_2: C108_VMOT_OUT.2 U5_VMOT_OUT.7
NetC109_PROT_SBC_2: C109_PROT_SBC.2 U5_PROT_SBC.15
NetC109_VBAT_OUT_2: C109_VBAT_OUT.2 U5_VBAT_OUT.15
NetC109_VMOT_OUT_2: C109_VMOT_OUT.2 U5_VMOT_OUT.15
NetC110_PROT_SBC_2: C110_PROT_SBC.2 U5_PROT_SBC.11
NetC110_VBAT_OUT_2: C110_VBAT_OUT.2 U5_VBAT_OUT.11
NetC110_VMOT_OUT_2: C110_VMOT_OUT.2 U5_VMOT_OUT.11
NetC129_PROT_3V3_2: C129_PROT_3V3.2 U6_PROT_3V3.10
NetC129_PROT_5V_2: C129_PROT_5V.2 U6_PROT_5V.10
NetC129_PROT_12V_2: C129_PROT_12V.2 U6_PROT_12V.10
NetC130_PROT_3V3_2: C130_PROT_3V3.2 U6_PROT_3V3.7
NetC130_PROT_5V_2: C130_PROT_5V.2 U6_PROT_5V.7
NetC130_PROT_12V_2: C130_PROT_12V.2 U6_PROT_12V.7
NetC132_MEAS_3V3_1: C132_MEAS_3V3.1 R75_MEAS_3V3.1 U7_MEAS_3V3.1
NetC132_MEAS_3V3_2: C132_MEAS_3V3.2 R76_MEAS_3V3.1 U7_MEAS_3V3.2
NetC132_MEAS_5V_1: C132_MEAS_5V.1 R75_MEAS_5V.1 U7_MEAS_5V.1
NetC132_MEAS_5V_2: C132_MEAS_5V.2 R76_MEAS_5V.1 U7_MEAS_5V.2
NetC132_MEAS_12V_1: C132_MEAS_12V.1 R75_MEAS_12V.1 U7_MEAS_12V.1
NetC132_MEAS_12V_2: C132_MEAS_12V.2 R76_MEAS_12V.1 U7_MEAS_12V.2
NetC132_MEAS_BATT_1: C132_MEAS_BATT.1 R75_MEAS_BATT.1 U7_MEAS_BATT.1
NetC132_MEAS_BATT_2: C132_MEAS_BATT.2 R76_MEAS_BATT.1 U7_MEAS_BATT.2
NetC132_MEAS_SBC_1: C132_MEAS_SBC.1 R75_MEAS_SBC.1 U7_MEAS_SBC.1
NetC132_MEAS_SBC_2: C132_MEAS_SBC.2 R76_MEAS_SBC.1 U7_MEAS_SBC.2
NetC132_MEAS_VBAT_1: C132_MEAS_VBAT.1 R75_MEAS_VBAT.1 U7_MEAS_VBAT.1
NetC132_MEAS_VBAT_2: C132_MEAS_VBAT.2 R76_MEAS_VBAT.1 U7_MEAS_VBAT.2
NetC132_MEAS_VMOT_1: C132_MEAS_VMOT.1 R75_MEAS_VMOT.1 U7_MEAS_VMOT.1
NetC132_MEAS_VMOT_2: C132_MEAS_VMOT.2 R76_MEAS_VMOT.1 U7_MEAS_VMOT.2
NetD1_1: D1.1 R1.1
NetD2_1: D2.1 R2.1
NetIC1_1: IC1.1 R14.2
NetIC2_3: IC2.3 R34.2 R35.2 R36.2
NetIC4_66: IC4.66 R51.2
NetIC4_67: IC4.67 R54.2
NetJ3_1: J3.1 R38.1
NetJ3_2: J3.2 R39.1
NetJ9_1: J9.1 R57.2
NetJ9_3: J9.3 R59.2
NetQ1_2: Q1.2 R3.1
NetQ2_2: Q2.2 R4.1
NetQ3_1: Q3.1 Q4.1 R35.1
NetQ3_2: Q3.2 R34.1
NetQ4_2: Q4.2 R36.1
NetR3_2: R3.2 U1.2
NetR4_2: R4.2 U1.1
NetR6_2: R6.2 U1.15
NetR10_1: R10.1 U1.8
NetR11_1: R11.1 U1.16
NetR13_1: R13.1 U1.17
NetR19_VREG_3V3_1: R19_VREG_3V3.1 U2_VREG_3V3.8
NetR19_VREG_5V_1: R19_VREG_5V.1 U2_VREG_5V.8
NetR29_1: R29.1 U3.8
NetR31_2: R31.2 R32.1 R33.1
NetR40_1: R40.1 U4.6
NetR41_2: R41.2 R43.1 U4.2
NetR42_2: R42.2 R45.1 U4.8
NetR44_1: R44.1 U4.1
NetR61_PROT_SBC_1: R61_PROT_SBC.1 U5_PROT_SBC.9
NetR61_VBAT_OUT_1: R61_VBAT_OUT.1 U5_VBAT_OUT.9
NetR61_VMOT_OUT_1: R61_VMOT_OUT.1 U5_VMOT_OUT.9
NetR62_PROT_SBC_1: R62_PROT_SBC.1 U5_PROT_SBC.8
NetR62_VBAT_OUT_1: R62_VBAT_OUT.1 U5_VBAT_OUT.8
NetR62_VMOT_OUT_1: R62_VMOT_OUT.1 U5_VMOT_OUT.8
NetR70_PROT_3V3_1: R70_PROT_3V3.1 U6_PROT_3V3.9
NetR70_PROT_5V_1: R70_PROT_5V.1 U6_PROT_5V.9
NetR70_PROT_12V_1: R70_PROT_12V.1 U6_PROT_12V.9
PWR_ALERT: IC4.36 R68.1 U7_MEAS_3V3.8 U7_MEAS_5V.8 U7_MEAS_12V.8 U7_MEAS_SBC.8
QSPI_CS: IC4.75 IC5.1 R48.1
QSPI_SCLK: IC4.71 IC5.6
QSPI_SD0: IC4.72 IC5.5
QSPI_SD1: IC4.74 IC5.2
QSPI_SD2: IC4.73 IC5.3
QSPI_SD3: IC4.70 IC5.7
RESET: IC4.35 R46.1 S1.1
SBC_VIO.FSEN: C111_PROT_SBC.2 IC4.13 R63_PROT_SBC.2 R64_PROT_SBC.1 U5_PROT_SBC.6
SBC_VIO.FSPG: IC4.14 R60_PROT_SBC.2 U5_PROT_SBC.13
SBC_VIO.VEN: IC4.12 R5.2 U1.4
SVGND: C18.1 C19.1 C20.1 C21.1 C22.1 NT1.1 NT2.1 NT3.1 R5.1 R6.1 R9.2 R10.2 R11.2 R13.2 R18.1 U1.10
SW1: C6.2 L1.1 Q1.1 Q2.3 U1.23
SW2: C9.2 L1.2 U1.21 U1.25
SWD_CLK: IC4.33 R57.1
SWD_IO: IC4.34 R59.1
SYSOK_LED: IC4.37 R1.2
USB_DIFF_N: J7.3 R51.1
USB_DIFF_P: J7.2 R54.1
VBAT: C56.2 C57.2 C58.2 D3.2 F1.1 Q4.3 R24.1 R26.1 R27.1 R76_MEAS_BATT.2 U3.23 U3.24 U3.25 U3.26
VBAT_OUT: C114.2 C117.2 C121.2 C122.1 J11.1 J12.1 J13.3 J13.4 R76_MEAS_VBAT.2 R78.1
VBE_IO.FSEN: C111_VBAT_OUT.2 IC4.8 R63_VBAT_OUT.2 R64_VBAT_OUT.1 U5_VBAT_OUT.6
VBE_IO.FSPG: IC4.9 R60_VBAT_OUT.2 U5_VBAT_OUT.13
VBOS_ALERT: IC4.11 R79.1 U7_MEAS_VBAT.8 U7_MEAS_VMOT.8
VFBAT: C1.1 C2.1 C3.1 C4.2 C5.1 C7.2 C24.1 C25.1 C26.1 C27.2 C28.2 C29.2 C44_VREG_3V3.1 C44_VREG_5V.1 C45_VREG_3V3.1 C45_VREG_5V.1 C46_VREG_3V3.1 C46_VREG_5V.1 C47_VREG_3V3.2 C47_VREG_5V.2 C59.2 C60.2 C61.2 C62.1 C63.1 C64.1 C102_VBAT_OUT.2 C102_VMOT_OUT.2 C103_VBAT_OUT.2 C103_VMOT_OUT.2 D4.1 D16.2 D17.2 IC1.5 Q1.3 R63_VBAT_OUT.1 R63_VMOT_OUT.1 U1.3 U2_VREG_3V3.1 U2_VREG_5V.1 U3.10 U3.11 U3.12 U3.13 U5_VBAT_OUT.1 U5_VBAT_OUT.2 U5_VBAT_OUT.3 U5_VBAT_OUT.16 U5_VBAT_OUT.25 U5_VMOT_OUT.1 U5_VMOT_OUT.2 U5_VMOT_OUT.3 U5_VMOT_OUT.16 U5_VMOT_OUT.25
VGND: C111_PROT_SBC.1 C111_VBAT_OUT.1 C111_VMOT_OUT.1 C131_PROT_3V3.1 C131_PROT_5V.1 C131_PROT_12V.1 R64_PROT_SBC.2 R64_VBAT_OUT.2 R64_VMOT_OUT.2 R74_PROT_3V3.2 R74_PROT_5V.2 R74_PROT_12V.2
VIN_PROT_3V3: C48_VREG_3V3.1 C49_VREG_3V3.2 C50_VREG_3V3.2 C51_VREG_3V3.2 C52_VREG_3V3.1 C125_PROT_3V3.2 C126_PROT_3V3.2 D13.2 D14.2 L3_VREG_3V3.2 R20_VREG_3V3.1 R71_PROT_3V3.1 U6_PROT_3V3.5
VIN_PROT_5V: C48_VREG_5V.1 C49_VREG_5V.2 C50_VREG_5V.2 C51_VREG_5V.2 C52_VREG_5V.1 C125_PROT_5V.2 C126_PROT_5V.2 D11.2 D12.2 L3_VREG_5V.2 R20_VREG_5V.1 R71_PROT_5V.1 U6_PROT_5V.5
VIN_PROT_12V: C31.2 C32.2 C33.2 C34.1 C35.1 C36.1 C37.1 C38.1 C125_PROT_12V.2 C126_PROT_12V.2 D10.2 IC1.9 R15.1 R71_PROT_12V.1 U6_PROT_12V.5
VL_VFB: C38.2 IC1.10 R15.2 R17.1
VMOT: C112.2 C113.1 J10.1 J10.2 J10.5 R76_MEAS_VMOT.2 R77.1
VMOT_IO.FSEN: C111_VMOT_OUT.2 IC4.6 R63_VMOT_OUT.2 R64_VMOT_OUT.1 U5_VMOT_OUT.6
VMOT_IO.FSPG: IC4.7 R60_VMOT_OUT.2 U5_VMOT_OUT.13
VOUT_VBAT_OUT: C104_VBAT_OUT.2 C105_VBAT_OUT.2 C106_VBAT_OUT.1 C107_VBAT_OUT.1 D8_VBAT_OUT.2 R75_MEAS_VBAT.2 R78.2 U5_VBAT_OUT.17 U5_VBAT_OUT.18 U5_VBAT_OUT.19 U5_VBAT_OUT.20 U5_VBAT_OUT.21 U5_VBAT_OUT.22 U5_VBAT_OUT.23 U5_VBAT_OUT.24
VOUT_VMOT_OUT: C104_VMOT_OUT.2 C105_VMOT_OUT.2 C106_VMOT_OUT.1 C107_VMOT_OUT.1 D8_VMOT_OUT.2 R75_MEAS_VMOT.2 R77.2 U5_VMOT_OUT.17 U5_VMOT_OUT.18 U5_VMOT_OUT.19 U5_VMOT_OUT.20 U5_VMOT_OUT.21 U5_VMOT_OUT.22 U5_VMOT_OUT.23 U5_VMOT_OUT.24
VREG_AVDD: C100.1 IC4.61 R56.2
VREG_LX: IC4.63 L5.2
VREG_PGND: C98.2 C101.2 IC4.62
VS_FB: C17.2 R8.2 R9.1 U1.14
VS_ISP: C8.1 C10.2 C11.2 C12.1 C13.1 C14.1 C15.2 C16.1 R7.1 R75_MEAS_SBC.2 U1.11 U1.12 U1.26
VSBC: C104_PROT_SBC.2 C105_PROT_SBC.2 C106_PROT_SBC.1 C107_PROT_SBC.1 C123.2 C124.1 D8_PROT_SBC.2 J14.3 J14.4 U5_PROT_SBC.17 U5_PROT_SBC.18 U5_PROT_SBC.19 U5_PROT_SBC.20 U5_PROT_SBC.21 U5_PROT_SBC.22 U5_PROT_SBC.23 U5_PROT_SBC.24
VSBCRO: C8.2 C17.1 C102_PROT_SBC.2 C103_PROT_SBC.2 D9.2 R7.2 R8.1 R63_PROT_SBC.1 R76_MEAS_SBC.2 U1.13 U5_PROT_SBC.1 U5_PROT_SBC.2 U5_PROT_SBC.3 U5_PROT_SBC.16 U5_PROT_SBC.25
XTAL_IN: C96.2 IC4.30 Y1.1
XTAL_OUT: IC4.31 R58.2
pads on no net: Hole1.1 Hole2.1 Hole3.1 Hole4.1 IC4.39 IC4.40 IC4.42 IC4.43 IC4.44 IC4.52 IC4.53 IC4.54 IC4.55 IC4.56 IC4.57 IC4.58 J1.11 J1.12 J2.3 J3.M J4.M J5.M J6.M J8.M J9.M J10.9 J10.10 J11.5 J11.6 J12.5 J12.6 J13.5 J13.6 J14.5 J14.6 U2_VREG_3V3.6 U2_VREG_5V.6 U3.1 U3.2 U3.3 U3.6 U3.19 U3.20 U3.21

## Silkscreen, mask and mechanical layers (free items; w line width, h text height)
Mechanical 1:
  lines w0.254: 96.521,100 3.479,100 ccw(c3.479,96.521) 0,96.521 0,3.479 ccw(c3.479,3.479) 3.479,0 96.521,0 ccw(c96.521,3.479) 100,3.479 100,96.521